# KiCad board Panel.kicad_pcb (continued)
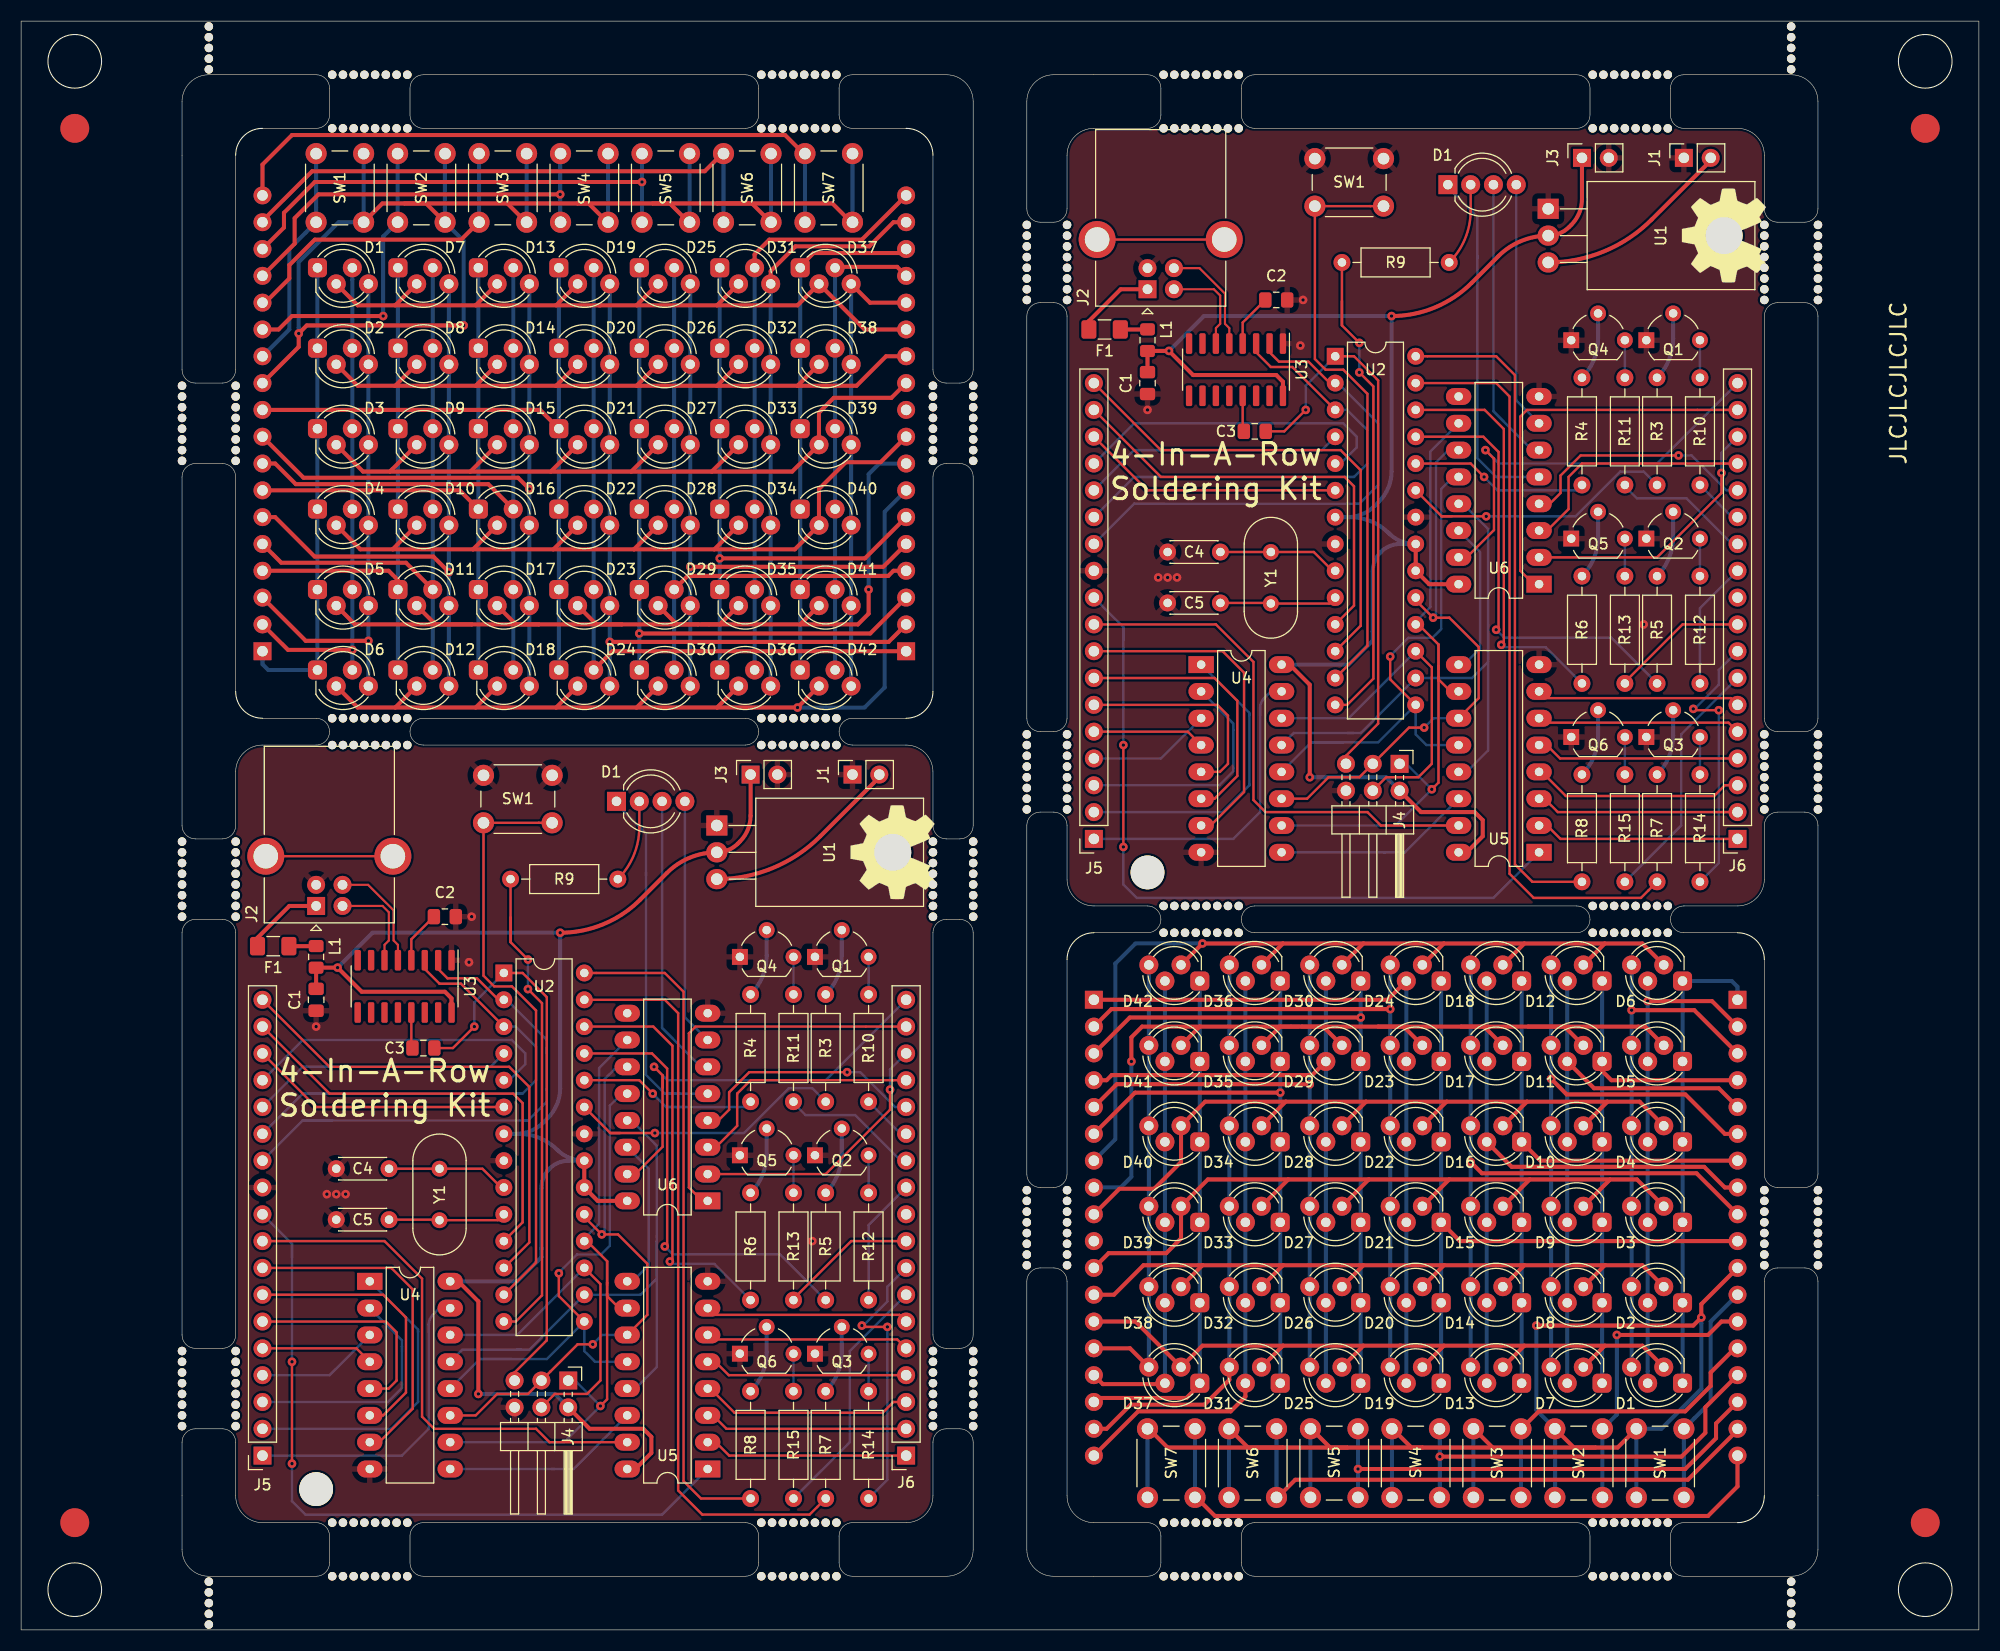
[diagram p0: board, top side]
## Routing (per net, layer and track width the routed paths; a pad name or vN(x,y) marks a point on that pad's centre or on a via; arc(x,y) is an arc through that point) (continued)
/C6B: length 183.6
  Top w0.229: U6.1 143.26,99.06 141.99,100.33 141.99,114.94 142.62,115.57 J6#2.17 ; J6.17 63.88,57.15 63.25,56.52 63.25,41.91 64.52,40.64 U6#2.1
  Top w0.381: D31#2.4 70.99,128.72 73.34,131.06 80.33,131.06 82.62,133.35 J2#4.17 ; D31.4 114.43,23.68 112.08,21.34 105.09,21.34 102.8,19.05 J2#3.17
  Bottom w0.381: D36#2.4 D31.4 ; D36.4 D31#2.4
/C6G: length 194.7
  Top w0.229: 60.75,52.53 60.75,51.39 ; 60.75,52.53 60.75,45.77 58.17,43.18 U6#2.15 ; 60.75,52.53 v1(59.94,53.34) ; 139.49,110.95 139.49,104.19 136.91,101.6 U6.15 ; 139.49,110.95 139.49,109.81 ; 139.49,110.95 v1(138.68,111.76)
  Top w0.381: J2#3.18 105.79,20.7 114.56,20.7 115.95,22.1 D31.3 ; J2#4.18 79.63,131.7 70.86,131.7 69.47,130.3 69.47,129.03
  Bottom w0.229: J6.18 76.2,52.07 61.21,52.07 v1(59.94,53.34) 60.14,53.15 ; J6#2.18 154.94,110.49 139.95,110.49 v1(138.68,111.76) 138.88,111.57
  Bottom w0.381: 69.47,90.93 69.47,129.03 ; D36#2.3 D31.3
/C6R: length 153.4
  Top w0.229: U5#2.7 144.4,88.27 161.93,88.27 J6#2.6 ; J6.6 83.19,29.84 65.66,29.84 U5.7
  Top w0.381: v1(119.25,50.9) 105.51,50.9 J2#3.6 ; J2#4.6 79.91,101.5 v1(66.17,101.5)
  Bottom w0.381: D31#2.1 D36.1 ; D31.1 D36#2.1
/C7B: length 134.1
  Top w0.229: U6.4 144.78,106.68 145.8,107.7 145.8,109.35 147.7,111.25 v1(156.97,111.25) ; v1(78.23,52.83) 68.96,52.83 67.06,50.93 67.06,49.28 66.04,48.26 U6#2.4
  Top w0.381: D37#2.4 80.39,125.73 J2#4.14 ; J2#3.14 105.03,26.67 D37.4
  Bottom w0.229: J6.14 82.78,49.53 79.47,52.83 v1(78.23,52.83) ; J6#2.14 161.52,107.95 158.21,111.25 v1(156.97,111.25)
  Bottom w0.381: D42.4 D37#2.4 ; D42#2.4 D37.4
/C7G: length 136.9
  Top w0.229: J6#2.15 147.83,110.49 146.56,109.22 146.56,106.17 144.53,104.14 U6.3 ; U6#2.3 65.79,45.72 67.82,47.75 67.82,50.8 69.09,52.07 J6.15
  Top w0.381: 77.09,129.03 77.18,129.12 82.97,129.12 J2#4.15 ; D37.3 108.24,23.28 102.45,23.28 J2#3.15
  Bottom w0.381: D37.3 D42#2.3 ; 77.09,129.03 77.09,90.93
/C7R: length 149.4
  Top w0.229: v1(161.04,109.6) 161.04,107.7 154.94,101.6 U6.2 ; U6#2.2 76.2,43.18 82.3,49.28 v1(82.3,51.18)
  Top w0.381: D37.1 111.63,23.24 110.37,21.97 101.98,21.97 J2#3.16 ; J2#4.16 83.44,130.43 75.05,130.43 73.79,129.16 D37#2.1
  Bottom w0.229: v1(161.04,109.6) 161.04,111.51 J6#2.16 ; J6.16 82.3,53.09 v1(82.3,51.18)
  Bottom w0.381: D42#2.1 D37.1 ; D42.1 D37#2.1
/D+: length 21.5
  Top w0.2: J2#2.3 111.6,129 114.02,126.59 114.02,123.73 114.43,123.32 U3.5 ; 35.69,63.44 35.69,64.9 35.28,65.31 35.28,68.17 32.86,70.58 J2.3
/D-: length 18.7
  Top w0.2: J2.2 34.23,68.58 34.83,67.98 34.83,65.31 34.42,64.9 34.42,63.44 ; J2#2.2 112.97,127 113.57,126.4 113.57,123.73 113.16,123.32 U3.6
/R1: length 153.5
  Top w0.381: 127.13,26.92 D25#2.2 ; 127.13,26.92 119.51,26.92 ; 127.13,26.92 130.56,26.92 ; 142.37,26.92 D13#2.2 ; 142.37,26.92 134.75,26.92 ; 142.37,26.92 149.99,26.92 ; 58.29,125.48 D25.2 ; 58.29,125.48 65.91,125.48 ; 58.29,125.48 54.86,125.48 ; 35.43,125.48 D7#2.2 ; 35.43,125.48 31.88,125.48 D1#2.2 ; 35.43,125.48 43.05,125.48 ; 149.99,26.92 D7.2 ; 149.99,26.92 153.54,26.92 D1#4.2 ; 43.05,125.48 45.08,127.51 ; 43.05,125.48 50.67,125.48 ; 65.91,125.48 D31#2.2 ; 65.91,125.48 73.53,125.48 75.56,127.51 79.88,123.19 J2#4.13 ; 50.67,125.48 54.86,125.48 ; 50.67,125.48 52.7,127.51 ; J2#3.13 105.54,29.21 D37.2 111.89,26.92 119.51,26.92 ; 119.51,26.92 D31.2 ; 134.75,26.92 130.56,26.92 ; 134.75,26.92 D19.2 ; 130.56,26.92 130.68,26.92 ; 54.74,125.48 54.86,125.48
  Bottom w0.229: J6.13 83.31,46.99 R10.1 ; J6#2.13 162.05,105.41 R10#2.1
/R2: length 172.5
  Top w0.381: 127.13,34.54 D26.2 ; 127.13,34.54 134.75,34.54 ; 127.13,34.54 119.51,34.54 ; J2#4.12 81.92,120.65 79.12,117.86 73.53,117.86 ; D2#2.2 31.88,117.86 35.43,117.86 ; 149.99,34.54 142.37,34.54 ; 149.99,34.54 153.54,34.54 D2.2 ; 149.99,34.54 D8.2 ; 142.37,34.54 134.75,34.54 ; 142.37,34.54 D14#2.2 ; 35.43,117.86 D8#2.2 ; 35.43,117.86 43.05,117.86 ; 119.51,34.54 D32.2 ; 119.51,34.54 111.89,34.54 ; 58.29,117.86 D26#2.2 ; 58.29,117.86 65.91,117.86 ; 58.29,117.86 50.67,117.86 ; 111.89,34.54 D38.2 ; 111.89,34.54 106.3,34.54 103.5,31.75 J2#3.12 ; 134.75,34.54 D20.2 ; 73.53,117.86 65.91,117.86 ; 73.53,117.86 75.56,119.89 ; 65.91,117.86 D32#2.2 ; 43.05,117.86 45.08,119.89 ; 43.05,117.86 50.67,117.86 ; 50.67,117.86 52.7,119.89
  Bottom w0.229: R11#2.1 73.15,49.91 74.3,48.77 78.99,48.77 83.31,44.45 J6.12 ; J6#2.12 162.05,102.87 157.73,107.19 153.04,107.19 151.89,108.33 R11.1
/R3: length 180.8
  Top w0.381: 150.5,42.67 D9.2 ; 150.5,42.67 153.04,42.67 D3.2 ; 150.5,42.67 142.88,42.67 ; 120.02,42.67 112.39,42.67 D39.2 109.86,37.08 108.46,35.69 103,35.69 J2#3.11 ; 120.02,42.67 127.64,42.67 ; 120.02,42.67 D33.2 ; 57.78,109.73 65.41,109.73 ; 57.78,109.73 50.17,109.73 ; 57.78,109.73 D27#2.2 ; 65.41,109.73 D33#2.2 ; 65.41,109.73 73.03,109.73 75.56,112.27 75.56,115.32 76.96,116.71 82.42,116.71 J2#4.11 ; 34.92,109.73 D9#2.2 ; 34.92,109.73 32.38,109.73 D3#2.2 ; 34.92,109.73 42.55,109.73 ; 142.88,42.67 135.25,42.67 ; 142.88,42.67 D15#2.2 ; 135.25,42.67 127.64,42.67 ; 135.25,42.67 D21.2 ; 50.17,109.73 42.55,109.73 ; 50.17,109.73 52.7,112.27 ; 42.55,109.73 45.08,112.27 ; 127.64,42.67 D27.2
  Bottom w0.229: R12#2.1 80.26,38.35 J6.11 ; J6#2.11 159,96.77 R12.1
/R4: length 181.1
  Top w0.229: R13.1 73.15,31.37 78.61,36.83 J6.9 ; J6#2.9 157.35,95.25 151.89,89.79 R13#2.1
  Top w0.381: 50.42,102.36 52.7,104.65 ; 50.42,102.36 42.8,102.36 ; 50.42,102.36 58.04,102.36 ; 135,50.04 127.38,50.04 ; 135,50.04 142.62,50.04 ; 135,50.04 D22#2.2 ; 127.38,50.04 D28.2 ; 127.38,50.04 119.76,50.04 ; D4#2.2 153.29,50.04 150.24,50.04 ; 142.62,50.04 D16#2.2 ; 142.62,50.04 150.24,50.04 ; 150.24,50.04 D10#2.2 ; 65.66,102.36 D34.2 ; 65.66,102.36 73.28,102.36 75.56,104.65 75.56,108.08 78.11,110.62 81.41,110.62 J2#4.9 ; 65.66,102.36 58.04,102.36 ; 42.8,102.36 45.08,104.65 ; 42.8,102.36 35.18,102.36 ; 119.76,50.04 D34#2.2 ; 119.76,50.04 112.14,50.04 D40.2 109.86,44.32 107.32,41.78 104.01,41.78 J2#3.9 ; 58.04,102.36 D28#2.2 ; D4.2 32.13,102.36 35.18,102.36 ; 35.18,102.36 D10.2
/R5: length 245
  Top w0.229: v1(82.04,28.7) 79.76,28.7 v1(79.63,28.83) ; v1(158.37,87.25) 158.5,87.12 v1(160.78,87.12)
  Top w0.381: 64.14,95.25 62.1,95.25 D29.2 ; 64.14,95.25 66.17,95.25 ; 64.14,95.25 56.9,95.25 ; 52.7,97.03 54.48,95.25 56.9,95.25 ; D23.2 130.94,57.15 128.52,57.15 ; 31.62,95.25 42.67,95.25 ; 31.62,95.25 31.56,95.31 ; 31.62,95.25 D5#2.2 ; 45.08,97.03 46.86,95.25 49.02,95.25 ; 111.63,57.15 D41#2.2 ; 111.63,57.15 106.17,57.15 105.16,56.13 v1(105.16,53.85) ; 111.63,57.15 119.25,57.15 ; 73.79,95.25 79.25,95.25 80.26,96.27 v1(80.26,98.55) ; 73.79,95.25 66.17,95.25 ; 73.79,95.25 75.56,97.03 ; 42.67,95.25 39.24,95.25 D11#2.2 ; 42.67,95.25 49.02,95.25 ; 142.75,57.15 146.18,57.15 D11.2 ; 142.75,57.15 136.4,57.15 ; 142.75,57.15 153.8,57.15 ; 153.8,57.15 D5.2 ; 153.8,57.15 153.86,57.09 ; 56.9,95.25 49.02,95.25 ; D29#2.2 123.32,57.15 121.29,57.15 ; 128.52,57.15 136.4,57.15 ; 128.52,57.15 121.29,57.15 ; D17#2.2 138.56,57.15 136.4,57.15 ; 64.39,95.25 66.17,95.25 ; 66.17,95.25 D35.2 ; 119.25,57.15 D35#2.2 ; 119.25,57.15 121.29,57.15 ; 119.25,57.15 121.03,57.15
  Bottom w0.229: v1(160.78,87.12) 160.78,72.64 R14.1 ; J6.8 82.04,32.51 82.04,31.12 79.76,28.83 v1(79.63,28.83) ; R14#2.1 82.04,14.22 v1(82.04,28.7) ; v1(158.37,87.25) 158.5,87.25 160.78,89.53 160.78,90.93 J6#2.8
  Bottom w0.381: J2#4.8 81.28,110.49 80.26,109.47 v1(80.26,98.55) ; J2#3.8 104.14,41.91 105.16,42.93 v1(105.16,53.85)
/R6: length 228.1
  Top w0.381: 58.29,87.38 D30.2 ; 58.29,87.38 65.91,87.38 ; 58.29,87.38 50.67,87.38 ; D6.2 31.88,87.38 35.43,87.38 ; 35.43,87.38 43.05,87.38 ; 35.43,87.38 D12#2.2 ; 43.05,87.38 50.67,87.38 ; 43.05,87.38 45.08,89.41 ; 65.91,87.38 v1(73.53,87.38) 75.56,89.41 ; 65.91,87.38 D36.2 ; 149.99,65.02 D12.2 ; 149.99,65.02 142.37,65.02 ; 149.99,65.02 153.54,65.02 D6#2.2 ; 134.75,65.02 D24#2.2 ; 134.75,65.02 142.37,65.02 ; 134.75,65.02 127.13,65.02 ; 127.13,65.02 D30#2.2 ; 127.13,65.02 119.51,65.02 ; D42#2.2 v1(111.89,65.02) 119.51,65.02 ; 142.37,65.02 D18.2 ; 119.51,65.02 D36#2.2 ; 50.67,87.38 52.7,89.41
  Bottom w0.229: R15.1 157.23,76.2 157.23,84.84 J6#2.7 ; J6.7 78.49,26.42 78.49,17.78 R15#2.1
  Bottom w0.381: J2#4.7 81.79,105.92 81.79,89.28 79.88,87.38 v1(73.53,87.38) ; J2#3.7 103.63,46.48 103.63,63.12 105.54,65.02 v1(111.89,65.02)
/SW_1: length 42.6
  Bottom w0.381: J1#3.12 160.02,29.21 160.02,21.59 SW1#3.1 SW1#3.1 ; J1#4.12 25.4,123.19 25.4,130.81 SW1#4.1 SW1#4.1
/SW_2: length 55.8
  Top w0.381: v1(34.29,124.46) 25.65,124.46 24.38,123.19 J1#4.13 ; v1(151.13,27.94) 159.77,27.94 161.04,29.21 J1#3.13
  Bottom w0.381: v1(34.29,124.46) 34.29,132 35.66,133.37 35.66,139.83 35.64,139.85 ; v1(151.13,27.94) 151.13,20.4 149.76,19.03 149.76,12.57 149.78,12.55
/SW_3: length 61.8
  Top w0.381: 142.09,19.05 143.74,20.7 157.61,20.7 160.02,23.11 160.02,24.38 162.31,26.67 J1#3.14 ; J1#4.14 23.11,125.73 25.4,128.02 25.4,129.29 27.81,131.7 41.68,131.7 43.33,133.35
  Bottom w0.381: 142.09,12.55 142.05,12.59 142.05,19.01 142.09,19.05 ; 43.33,133.35 43.37,133.39 43.37,139.81 43.33,139.85
/SW_4: length 78.7
  Top w0.381: v1(134.37,16.41) 157.26,16.41 159.51,18.67 159.51,21.08 J1#3.15 ; v1(51.05,135.99) 28.16,135.99 25.91,133.73 25.91,131.32 J1#4.15
  Bottom w0.381: 51.03,133.35 51.05,133.38 v1(51.05,135.99) 51.05,139.82 51.03,139.85 ; 134.39,19.05 134.37,19.02 v1(134.37,16.41) 134.37,12.58 134.39,12.55
/SW_5: length 91.9
  Top w0.381: J1#4.16 24.89,132.84 24.89,134.24 27.81,137.16 v1(58.8,137.16) ; J1#3.16 160.53,19.56 160.53,18.16 157.61,15.24 v1(126.62,15.24)
  Bottom w0.381: 126.7,12.55 126.62,12.63 v1(126.62,15.24) 126.62,18.97 126.7,19.05 ; 58.72,133.35 58.8,133.43 v1(58.8,137.16) 58.8,139.77 58.72,139.85
/SW_6: length 105.9
  Top w0.381: 66.42,139.85 64.74,138.18 27.56,138.18 22.86,133.48 J1#4.17 ; J1#3.17 162.56,18.92 157.86,14.22 120.68,14.22 119,12.55
  Bottom w0.381: 119,12.55 118.9,12.66 SW6.1 119,19.05 ; 66.42,139.85 66.52,139.74 SW6#2.1 66.42,133.35
/SW_7: length 125.3
  Top w0.381: 74.11,139.85 72.36,141.6 25.65,141.6 22.86,138.81 J1#4.18 ; 111.31,12.55 113.06,10.79 159.77,10.79 162.56,13.59 J1#3.18
  Bottom w0.381: 111.31,19.05 111.18,18.92 111.18,12.68 111.31,12.55 ; 74.11,133.35 74.24,133.48 74.24,139.72 74.11,139.85
/SW_C: length 322.3
  Top w0.381: 52.7,135.13 53.75,135.13 55.53,133.35 ; 52.7,135.13 59.82,135.13 ; 52.7,135.13 46.05,135.13 ; 59.82,135.13 61.44,135.13 63.22,133.35 ; 59.82,135.13 65.91,135.13 ; 125.6,17.27 119.51,17.27 ; 125.6,17.27 132.71,17.27 ; 125.6,17.27 123.98,17.27 122.2,19.05 ; 119.51,17.27 108.58,17.27 106.81,19.05 ; 119.51,17.27 116.2,17.27 114.5,18.97 114.5,19.05 ; 149.1,17.27 139.37,17.27 ; 149.1,17.27 147.06,17.27 145.28,19.05 ; 149.1,17.27 151.2,17.27 SW1#3.2 ; 139.37,17.27 137.59,19.05 ; 139.37,17.27 132.71,17.27 ; 132.71,17.27 131.67,17.27 129.89,19.05 ; 78.61,133.35 76.83,135.13 65.91,135.13 ; 65.91,135.13 69.22,135.13 70.92,133.43 70.92,133.35 ; 40.14,133.35 38.36,135.13 36.32,135.13 ; 36.32,135.13 46.05,135.13 ; 36.32,135.13 34.22,135.13 SW1#4.2 ; J1#4.11 26.29,121.54 v1(26.29,122.81) 27.05,123.57 v1(41.91,123.57) ; v1(143.51,28.83) 158.37,28.83 v1(159.13,29.59) 159.13,30.86 J1#3.11 ; 46.05,135.13 47.83,133.35
  Bottom w0.381: 63.22,133.35 SW5.2 63.31,139.77 63.22,139.85 ; 70.92,139.85 71.02,139.74 71.02,133.46 70.92,133.35 ; 129.89,12.55 129.83,12.61 129.83,18.99 129.89,19.05 ; v1(143.51,28.83) 143.51,20.82 145.28,19.05 145.28,12.55 ; 47.83,133.35 47.87,133.39 47.87,139.81 47.83,139.85 ; 78.61,139.85 78.74,139.72 78.74,133.48 78.61,133.35 ; 114.5,12.55 114.4,12.66 114.4,18.94 114.5,19.05 ; SW1#3.2 SW1#3.2 155.35,19.05 159.13,22.83 v1(159.13,29.59) ; 122.2,19.05 SW5#2.2 122.11,12.63 122.2,12.55 ; 137.59,19.05 137.55,19.01 137.55,12.59 137.59,12.55 ; 40.14,139.85 40.14,133.35 41.91,131.58 v1(41.91,123.57) ; 106.81,12.55 106.68,12.68 106.68,18.92 106.81,19.05 ; 55.53,139.85 55.59,139.79 55.59,133.41 55.53,133.35 ; SW1#4.2 SW1#4.2 30.07,133.35 26.29,129.57 v1(26.29,122.81)
Button1: length 106.1
  Top w0.229: 39.5,63.44 39.5,62.61 40.39,61.72 43.18,61.72 45.21,59.69 U2.2 ; U2#2.2 123.95,118.11 121.92,120.14 119.13,120.14 118.24,121.03 U3.2
  Bottom w0.229: 49.78,51.08 49.78,51.31 ; 49.78,51.08 49.78,55.16 ; 49.78,51.08 49.78,50.04 48.01,48.26 ; 47.5,48.26 48.01,48.26 ; 48.01,48.26 26.67,48.26 ; 128.52,113.58 128.52,113.03 ; 128.52,113.58 128.52,114.3 124.71,118.11 U2#2.2 ; 128.52,113.58 128.52,109.5 ; 49.78,55.16 49.78,55.88 45.97,59.69 U2.2 ; 49.78,55.16 49.78,54.61 ; 126.75,106.68 128.52,108.46 128.52,109.5 ; 126.75,106.68 126.24,106.68 ; 126.75,106.68 105.41,106.68 ; J5#2.12 105.41,106.68 ; 105.41,106.68 108.2,106.68 ; 128.52,109.5 128.52,109.73 ; 26.67,48.26 29.46,48.26 ; 26.67,48.26 J5.12
Button2: length 98.8
  Top w0.229: 45.53,56.96 U2.3 41.66,61.21 39.62,61.21 38.23,62.61 38.23,63.44 ; 124.27,115.38 U2#2.3 120.4,119.63 118.36,119.63 116.97,121.03 U3.3
  Bottom w0.229: J5#2.13 105.41,109.22 ; 105.41,109.22 108.2,109.22 ; 105.41,109.22 126.24,109.22 ; J5.13 26.67,50.8 ; 26.67,50.8 29.46,50.8 ; 26.67,50.8 47.5,50.8 ; 47.5,50.8 48.77,52.07 48.77,55.23 46.85,57.15 U2.3 ; 47.5,50.8 46.74,50.8 ; U2#2.3 125.59,115.57 127.51,113.65 127.51,110.49 126.24,109.22 ; 126.24,109.22 125.48,109.22
Button3: length 55.5
  Bottom w0.229: J5#2.14 105.41,111.76 ; 105.41,111.76 123.19,111.76 U2#2.4 ; 105.41,111.76 108.2,111.76 ; U2.4 44.45,53.34 26.67,53.34 ; 26.67,53.34 29.46,53.34 ; 26.67,53.34 J5.14
Button4: length 61.4
  Bottom w0.229: U2.5 46.23,52.07 47.75,53.59 47.75,54.61 46.48,55.88 26.67,55.88 J5.15 ; J5#2.15 105.41,114.3 125.22,114.3 126.49,113.03 126.49,112.01 124.97,110.49 U2#2.5
Button5: length 49.9
  Top w0.229: U2.6 27.94,49.53 J5.16 ; U2#2.6 106.68,107.95 J5#2.16
Button6: length 82.9
  Top w0.229: J5#2.17 107.95,109.22 125.35,109.22 126.24,108.33 126.24,97.03 U2#2.11 ; J5.17 29.21,50.8 46.61,50.8 47.5,49.91 47.5,38.61 U2.11
Button7: length 93.7
  Top w0.229: J5.18 29.21,53.34 46.23,53.34 48.13,51.44 48.13,36.7 U2.12 ; J5#2.18 107.95,111.76 124.97,111.76 126.87,109.85 126.87,95.12 U2#2.12
Button8: length 111
  Top w0.229: SW1.1 SW1.1 122.53,120.39 123.54,119.38 125.22,119.38 127.51,117.09 127.51,93.22 U2#2.13 ; U2.13 48.77,34.8 48.77,58.67 46.48,60.96 44.8,60.96 43.79,61.97 SW1#2.1 SW1#2.1
DATA: length 66.5
  Top w0.229: U2#2.17 133.6,91.19 133.6,82.04 132.33,80.77 129.29,80.77 J4#2.4 ; U2.17 54.86,32.77 54.86,23.62 53.59,22.35 50.55,22.35 J4.4
  Bottom w0.229: U4#2.14 46.99,27.94 U2.17 ; U4.14 125.73,86.36 U2#2.17
RCLK: length 106.9
  Top w0.229: v1(129.67,92.2) 129.67,90.04 U2#2.15 ; U2.15 50.93,31.62 v1(50.93,33.78)
  Bottom w0.229: 43.43,25.65 49.78,25.65 U2.15 53.34,26.42 54.36,25.4 U5.12 ; 43.43,25.65 46.48,25.65 ; 43.43,25.65 U4#2.12 41.28,23.5 ; 122.17,84.07 128.52,84.07 U2#2.15 132.08,84.84 133.1,83.82 U5#2.12 ; 122.17,84.07 125.22,84.07 ; 122.17,84.07 U4.12 120.02,81.92 ; v1(129.67,92.2) 129.67,92.26 131.39,93.98 133.67,93.98 134.49,94.81 134.49,108.08 135.64,109.22 U6.12 ; U6#2.12 56.9,50.8 55.75,49.66 55.75,36.39 54.93,35.56 52.65,35.56 50.93,33.84 v1(50.93,33.78)
Row1_Base: length 13
  Bottom w0.381: Q1#2.2 156.46,122.3 arc(156.07,120.31) R3#2.1 ; Q1.2 77.72,63.88 arc(77.33,61.89) R3.1
Row1_LEDs: length 7.1
  Bottom w0.229: Q1.3 R10.2 ; Q1#2.3 R10#2.2
Row2_Base: length 13
  Bottom w0.381: Q4.2 70.61,63.88 arc(70.22,61.89) R4#2.1 ; Q4#2.2 149.35,122.3 arc(148.96,120.31) R4.1
Row2_LEDs: length 7.1
  Bottom w0.229: Q4.3 R11#2.2 ; Q4#2.3 R11.2
Row3_Base: length 13
  Bottom w0.381: Q2#2.2 156.46,103.5 arc(156.07,101.51) R5.1 ; Q2.2 77.72,45.08 arc(77.33,43.09) R5#2.1
Row3_LEDs: length 7.1
  Bottom w0.229: Q2.3 R12#2.2 ; Q2#2.3 R12.2
Row4_Base: length 13
  Bottom w0.381: Q5#2.2 149.35,103.5 arc(148.96,101.51) R6#2.1 ; Q5.2 70.61,45.08 arc(70.22,43.09) R6.1
Row4_LEDs: length 7.1
  Bottom w0.229: R13#2.2 Q5#2.3 ; R13.2 Q5.3
Row5_Base: length 13
  Bottom w0.381: Q3#2.2 77.72,26.29 arc(77.33,24.29) R7.1 ; Q3.2 156.46,84.71 arc(156.07,82.71) R7#2.1
Row5_LEDs: length 7.1
  Bottom w0.229: Q3.3 R14.2 ; Q3#2.3 R14#2.2
Row6_Base: length 13
  Bottom w0.381: Q6.2 149.35,84.71 arc(148.96,82.71) R8#2.1 ; Q6#2.2 70.61,26.29 arc(70.22,24.29) R8.1
Row6_LEDs: length 7.1
  Bottom w0.229: R15.2 Q6.3 ; R15#2.2 Q6#2.3
SRCLK: length 106.9
  Top w0.229: 57.91,27.94 U5.11 59.31,29.84 59.31,34.69 56.53,37.46 v1(54.99,37.46) 53.52,38.94 ; 132.26,97.36 v1(133.73,95.88) 135.27,95.88 138.05,93.11 138.05,88.27 U5#2.11 136.65,86.36 ; v1(132.88,85.47) 131.44,85.47 J4#2.3 126.75,80.77 123.83,80.77 121.79,78.74 U4.11 ; v1(54.14,27.05) 52.7,27.05 J4.3 48.01,22.35 45.08,22.35 43.05,20.32 U4#2.11
  Top w0.25: U2.19 arc(53.39,39.14) 53.52,38.94 ; U2#2.19 arc(132.13,97.56) 132.26,97.36
  Bottom w0.229: U5#2.11 133.77,86.36 v1(132.88,85.47) ; v1(133.73,95.88) 134,96.16 134,110.6 135.17,111.76 U6.11 ; v1(54.14,27.05) 55.03,27.94 U5.11 ; v1(54.99,37.46) 55.26,37.74 55.26,52.18 56.42,53.34 U6#2.11
Status_LED: length 15.8
  Top w0.229: D1#3.2 137.29,134.45 arc(136.76,131.79) R9.1 ; D1.2 58.55,76.03 arc(58.02,73.37) R9#2.1
XTAL1: length 23.4
  Top w0.229: 113.58,102.36 113.84,102.11 Y1.1 122.43,102.11 124.21,100.33 U2#2.9 ; 34.84,43.94 35.1,43.69 Y1#2.1 43.69,43.69 45.47,41.91 U2.9
XTAL2: length 22.3
  Top w0.229: C5#2.2 118.31,97.28 Y1.2 123.9,97.23 U2#2.10 ; C5.2 39.57,38.86 Y1#2.2 45.16,38.81 U2.10
~{OE}: length 110.4
  Bottom w0.229: 126.15,84.96 126.87,84.96 U2#2.16 137.41,90.17 138.94,91.69 ; 126.15,84.96 120.52,84.96 U4.13 119.45,83.89 ; 126.15,84.96 125.6,84.96 ; 47.41,26.54 48.13,26.54 U2.16 58.67,31.75 60.2,33.27 ; 47.41,26.54 41.78,26.54 U4#2.13 40.71,25.47 ; 47.41,26.54 46.86,26.54 ; 60.2,33.27 60.2,24.89 58.17,22.86 U5.13 ; 60.2,33.27 60.2,36.83 ; 138.94,91.69 138.94,83.31 136.91,81.28 U5#2.13 ; 138.94,91.69 138.94,95.25 ; 60.2,33.46 60.2,36.83 ; 60.2,36.83 60.2,45.87 57.8,48.26 U6#2.13 ; 138.94,95.25 138.94,104.29 136.54,106.68 U6.13 ; 138.94,95.25 138.94,91.88
~{RESET}: length 106.9
  Top w0.229: v1(42.93,57.15) 40.89,55.12 C3#2.1 ; v1(121.67,115.57) 119.63,113.54 C3.1 ; J4.5 46.74,24.38 49.78,27.43 49.78,59.94 47.5,62.23 U2.1 ; J4#2.5 125.48,82.8 128.52,85.85 128.52,118.36 126.24,120.65 U2#2.1
  Bottom w0.229: v1(121.67,115.57) 121.67,117.86 U2#2.1 ; v1(42.93,57.15) 42.93,59.44 U2.1
~{SRCLR}: length 129.8
  Top w0.229: 134.24,93.34 134.24,91.31 ; 134.24,93.34 134.24,80.26 v1(133.6,79.63) ; 134.24,93.34 132.33,95.25 U2#2.18 ; 134.24,91.31 134.24,90.04 135.38,88.9 U5#2.10 135.25,88.9 ; 134.24,91.31 134.24,91.06 ; 55.5,32.89 55.5,31.62 56.64,30.48 U5.10 56.52,30.48 ; 55.5,32.89 55.5,32.64 ; 55.5,32.89 55.5,34.92 ; 55.5,31.88 55.5,31.5 ; 55.5,34.92 53.59,36.83 U2.18 ; 55.5,34.92 55.5,21.84 v1(54.86,21.21) ; 134.24,90.3 134.24,89.92
  Bottom w0.229: J4#2.1 131.19,82.04 v1(133.6,79.63) 130.18,76.2 129.37,76.2 ; 129.37,76.2 129.03,76.2 ; 129.37,76.2 U4.10 ; U2#2.18 132.08,95.5 133.48,96.9 133.48,111.63 U6.10 ; 50.63,17.78 51.44,17.78 v1(54.86,21.21) 52.45,23.62 J4.1 ; 50.63,17.78 U4#2.10 ; 50.63,17.78 50.29,17.78 ; U6#2.10 54.74,53.21 54.74,38.48 53.34,37.08 U2.18
Net-(C2-Pad1): length 10
  Top w0.229: U3.4 115.7,123.85 C2.1 ; 36.96,63.44 36.96,65.43 C2#2.1
Net-(C3-Pad2): length 6.8
  Top w0.229: C3.2 115.7,113.64 U3.13 ; U3#2.13 36.96,55.22 C3#2.2
Net-(D1-Pad1): length 70.7
  Bottom w0.229: 60.96,50.8 62.42,50.8 ; 60.96,50.8 59.18,52.58 59.18,71.74 ; 60.96,50.8 U6#2.5 ; 139.7,109.22 141.16,109.22 ; 139.7,109.22 U6.5 ; 139.7,109.22 137.92,111 137.92,130.16 ; D1.1 56.39,78.23 59.18,75.44 59.18,71.74 ; 59.18,71.74 59.18,71.5 ; D1#3.1 135.13,136.65 137.92,133.86 137.92,130.16 ; 137.92,130.16 137.92,129.92
Net-(D1-Pad3): length 57.3
  Bottom w0.229: 60.71,57.02 61.66,56.07 ; 60.71,57.02 64.39,53.34 U6#2.6 ; 60.71,57.02 D1.3 ; D1#3.3 139.45,115.44 ; 139.45,115.44 140.4,114.49 ; 139.45,115.44 143.13,111.76 U6.6
Net-(D1-Pad4): length 47
  Bottom w0.229: U6#2.7 62.86,58.04 62.86,78.49 ; D1#3.4 141.61,116.46 U6.7
Net-(F1-Pad1): length 5.2
  Top w0.381: L1#2.2 27.93,64.77 F1.1 ; F1#2.1 106.67,123.19 106.68,123.2
Net-(F1-Pad2): length 15.2
  Top w0.381: J2#2.1 104.14,127 101.13,123.99 F1#2.2 ; J2.1 25.4,68.58 22.39,65.57 F1.2
Net-(J1-Pad2): length 38.3
  Top w0.381: 81.53,81.03 75.69,75.18 arc(71.19,72.17) U1#2.3 ; 160.27,139.45 154.43,133.6 arc(149.93,130.59) U1.3
Net-(R3-Pad2): length 54.3
  Top w0.229: U2#2.23 134.54,105.49 ; 134.54,105.49 v1(138.76,105.49) ; 134.54,105.49 135.51,105.49 ; 55.8,47.07 v1(60.02,47.07) ; 55.8,47.07 56.77,47.07 ; 55.8,47.07 U2.23
  Bottom w0.229: R3#2.2 153.67,109.73 151.45,109.73 147.21,105.49 v1(138.76,105.49) ; v1(60.02,47.07) 68.47,47.07 72.71,51.31 74.93,51.31 R3.2
Net-(R4-Pad2): length 37.6
  Top w0.229: v1(138.56,109.22) 137.29,110.49 U2#2.24 ; v1(59.82,50.8) 58.55,52.07 U2.24
  Bottom w0.229: v1(138.56,109.22) 139.83,107.95 ; 139.83,107.95 141.62,107.95 ; 139.83,107.95 147.32,107.95 R4.2 ; R4#2.2 68.58,49.53 61.09,49.53 ; v1(59.82,50.8) 61.09,49.53 ; 61.09,49.53 62.88,49.53
Net-(R5-Pad2): length 85.5
  Top w0.229: U2.25 59.75,54.61 61.18,53.17 61.18,36.55 v1(60.96,36.32) ; v1(139.7,94.74) 139.92,94.97 139.92,111.59 138.49,113.03 U2#2.25
  Bottom w0.229: R5#2.2 71.87,35.57 61.71,35.57 v1(60.96,36.32) ; v1(139.7,94.74) 140.45,93.99 150.61,93.99 R5.2
Net-(R6-Pad2): length 77.6
  Top w0.229: U2.26 59.88,57.15 61.68,55.34 61.68,35.14 v1(61.44,34.9) ; v1(140.18,93.32) 140.42,93.56 140.42,113.76 138.62,115.57 U2#2.26
  Bottom w0.229: R6#2.2 144.4,93.09 140.41,93.09 v1(140.18,93.32) ; R6.2 65.66,34.67 61.67,34.67 v1(61.44,34.9)
Net-(R7-Pad2): length 140.4
  Top w0.229: R7.2 74.68,10.92 64.52,10.92 62.23,13.21 62.23,58.42 60.96,59.69 U2.27 ; R7#2.2 153.42,69.34 143.26,69.34 140.97,71.63 140.97,116.84 139.7,118.11 U2#2.27
Net-(R8-Pad2): length 127
  Top w0.229: U2#2.28 139.7,120.65 141.48,118.87 141.48,72.52 143.13,70.87 R8#2.2 ; R8.2 64.39,12.45 62.74,14.1 62.74,60.45 60.96,62.23 U2.28
Net-(R9-Pad2): length 95.3
  Top w0.229: v1(126.75,121.92) 125.1,123.57 ; 125.1,123.57 R9.2 ; 125.1,123.57 125.1,125.91 ; v1(48,60.7) 49.33,59.37 49.33,31.69 46.85,29.21 U2.14 ; U2#2.14 125.59,87.63 128.07,90.11 128.07,117.79 v1(126.74,119.12) ; 46.36,65.15 46.36,67.49 ; 46.36,65.15 R9#2.2 ; 46.36,65.15 v1(48.01,63.5)
  Bottom w0.229: v1(126.75,121.92) 126.74,121.92 v1(126.74,119.12) ; v1(48,60.7) 48,63.5 v1(48.01,63.5)
Net-(U4-Pad9): length 38.1
  Bottom w0.229: 129.22,73.66 U4.9 ; 129.22,73.66 129.03,73.66 ; 129.22,73.66 131.06,73.66 U5#2.14 ; 50.48,15.24 52.32,15.24 U5.14 ; 50.48,15.24 U4#2.9 ; 50.48,15.24 50.29,15.24
Net-(U5-Pad9): length 29.4
  Bottom w0.229: U6.14 138.18,102.11 138.18,92.96 136.65,91.44 U5#2.9 ; U5.9 57.91,33.02 59.44,34.54 59.44,43.69 U6#2.14
unconnected-(J2-Pad5): length 24.1
  Top w0.229: J2#2.5 J2#2.5 ; J2.5 J2.5

## Copper pours and planes (outline as drawn; the poured copper is in the pictures)
GND on Top, Bottom: 165.1,68.58 99.06,68.58 99.06,142.24 165.1,142.24
GND on Top, Bottom: 86.36,10.16 20.32,10.16 20.32,83.82 86.36,83.82

## Text on the board
B.Silkscreen: V2.0 | Designed by Electro707 | 4-In-A-Row Soldering Kit LED Board | 4-In-A-Row Soldering Kit / Main Board
F.Silkscreen: JLCJLCJLCJLC | 4-In-A-Row / Soldering Kit
